# KiCad board Ultrasonic Sound Steering - Control Rev. B.kicad_pcb (continued)
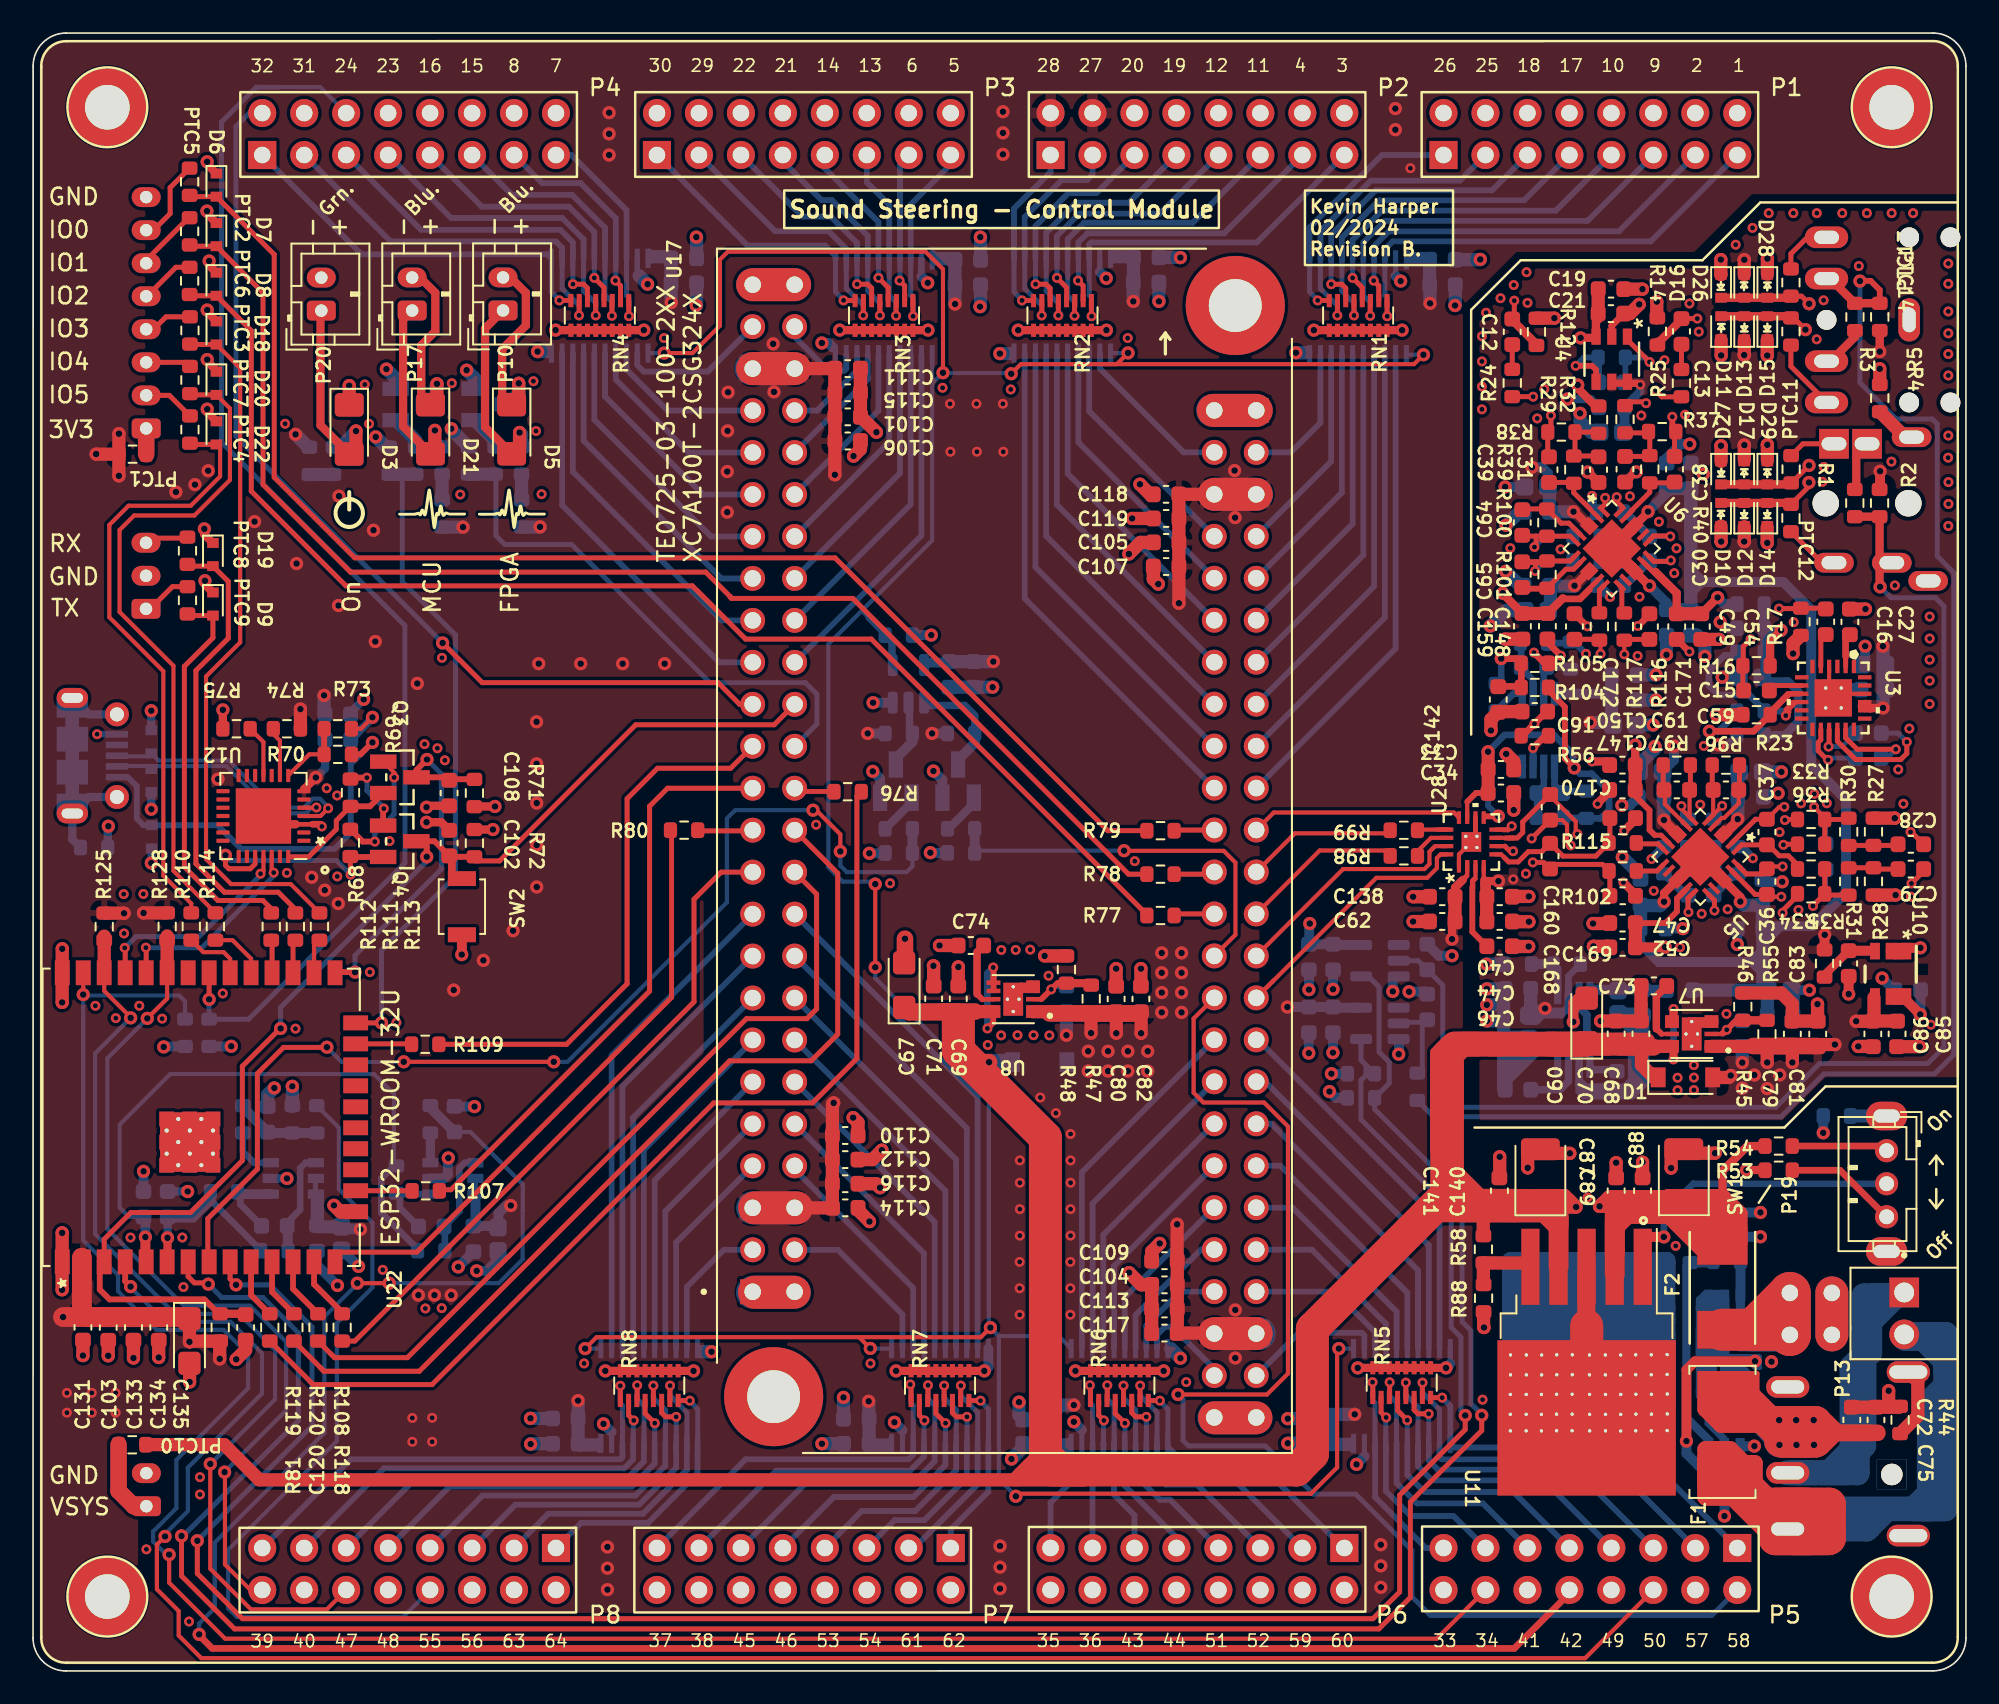
[diagram p0: board, top side]
## Placement (name value [footprint] x y rotation side) (continued)
R23  68Ω  [R_0603_1608Metric]  104.32 57.88 0 top
R24  2kΩ  [R_0603_1608Metric]  89.53 77.96 90 top
R25  2kΩ  [R_0603_1608Metric]  99.77 77.95 90 top
R26  2.2kΩ  [R_0603_1608Metric]  95.56 79.5 180 bottom
R27  10kΩ  [R_0603_1608Metric]  111.4 50.8 90 top
R28  10kΩ  [R_0603_1608Metric]  111.4 47.79 90 top
R29  3.9kΩ  [R_0603_1608Metric]  96.36 75.77 270 top
R30  3.9kΩ  [R_0603_1608Metric]  109.9 50.79 90 top
R31  3.9kΩ  [R_0603_1608Metric]  109.9 47.79 270 top
R32  3.9kΩ  [R_0603_1608Metric]  94.76 75.74 270 top
R33  15kΩ  [R_0603_1608Metric]  107.62 50.04 180 top
R34  15kΩ  [R_0603_1608Metric]  107.62 48.54 180 top
R35  3.9kΩ  [R_0603_1608Metric]  107.62 47.04 180 top
R36  3.9kΩ  [R_0603_1608Metric]  107.62 51.54 180 top
R37  15kΩ  [R_0603_1608Metric]  98.61 75.02 0 top
R38  15kΩ  [R_0603_1608Metric]  92.51 74.99 180 top
R39  3.9kΩ  [R_0603_1608Metric]  93.26 72.72 270 top
R40  3.9kΩ  [R_0603_1608Metric]  97.86 72.74 270 top
R41  10kΩ  [R_0603_1608Metric]  103.2 49.07 270 bottom
R42  10kΩ  [R_0603_1608Metric]  95.46 70.14 0 bottom
R43  10kΩ  [R_0603_1608Metric]  98.71 49.07 270 bottom
R44  0Ω  [R_0603_1608Metric]  113.01 15.19 270 top
R45  3.57kΩ  [R_0603_1608Metric]  104.95 38.56 270 top
R46  1.15kΩ  [R_0603_1608Metric]  103.49 40.21 270 top
R47  3.57kΩ  [R_0603_1608Metric]  64.05 40.69 270 top
R48  1.15kΩ  [R_0603_1608Metric]  62.55 42.46 270 top
R49  10Ω  [R_0603_1608Metric]  102.52 24.8 0 bottom
R50  4.7kΩ  [R_0603_1608Metric]  100.31 25.54 270 bottom
R51  180Ω  [R_0603_1608Metric]  16.73 73.25 90 bottom
R52  0Ω  [R_0603_1608Metric]  18.19 73.25 90 bottom
R53  1kΩ  [R_0603_1608Metric]  105.66 30.31 0 top
R54  100kΩ  [R_0603_1608Metric]  105.66 31.77 180 top
R55  100kΩ  [R_0603_1608Metric]  108.44 42.82 90 top
R56  5.1kΩ  [R_0603_1608Metric]  90.9 56.61 0 top
R57  5.1kΩ  [R_0603_1608Metric]  91.81 51.68 0 bottom
R58  2.2kΩ  [R_0603_1608Metric]  87.79 25.52 90 top
R59  1.2kΩ  [R_0603_1608Metric]  29.57 70.07 270 bottom
R60  0Ω  [R_0603_1608Metric]  29.57 73.27 90 bottom
R61  100Ω  [R_0603_1608Metric]  27.97 73.27 90 bottom
R62  4.7kΩ  [R_0603_1608Metric]  26.37 73.27 90 bottom
R63  1.2kΩ  [R_0603_1608Metric]  24.76 70.06 270 bottom
R64  0Ω  [R_0603_1608Metric]  24.76 73.27 90 bottom
R65  100Ω  [R_0603_1608Metric]  23.16 73.26 90 bottom
R66  4.7kΩ  [R_0603_1608Metric]  21.56 73.26 90 bottom
R67  0Ω  [R_0603_1608Metric]  3.7 49.84 180 bottom
R68  4.7kΩ  [R_0603_1608Metric]  19.21 50.12 90 top
R69  4.7kΩ  [R_0603_1608Metric]  19.22 53.16 90 top
R70  22.1kΩ  [R_0603_1608Metric]  18.45 55.48 0 top
R71  0Ω  [R_0603_1608Metric]  26.72 53.14 270 top
R72  0Ω  [R_0603_1608Metric]  26.72 50.11 270 top
R73  47.5kΩ  [R_0603_1608Metric]  18.45 57.03 0 top
R74  1kΩ  [R_0603_1608Metric]  15.37 57.03 180 top
R75  1kΩ  [R_0603_1608Metric]  12.32 57.03 180 top
R76  0Ω  [R_0603_1608Metric]  49.31 53.22 180 top
R77  0Ω  [R_0603_1608Metric]  68.24 45.73 180 top
R78  0Ω  [R_0603_1608Metric]  68.24 48.23 180 top
R79  0Ω  [R_0603_1608Metric]  68.24 50.86 180 top
R80  0Ω  [R_0603_1608Metric]  39.41 50.89 180 top
R81  10kΩ  [R_0603_1608Metric]  11.33 20.79 90 top
R82  4.7kΩ  [R_0603_1608Metric]  52.4 49.51 180 bottom
R83  100Ω  [R_0603_1608Metric]  52.4 50.97 180 bottom
R84  4.7kΩ  [R_0603_1608Metric]  52.4 56.75 0 bottom
R85  4.7kΩ  [R_0603_1608Metric]  56.17 49.52 180 bottom
R86  100Ω  [R_0603_1608Metric]  56.17 50.98 180 bottom
R87  10kΩ  [R_0603_1608Metric]  95.5 65.72 0 bottom
R88  1kΩ  [R_0603_1608Metric]  87.8 22.56 90 top
R89  4.7kΩ  [R_0603_1608Metric]  92.84 42.79 0 bottom
R90  50Ω  [R_0603_1608Metric]  94.02 52.43 90 bottom
R91  4.7kΩ  [R_0603_1608Metric]  56.17 56.75 0 bottom
R92  1kΩ  [R_0603_1608Metric]  101.73 50.74 270 bottom
R93  1kΩ  [R_0603_1608Metric]  100.17 50.73 270 bottom
R94  1kΩ  [R_0603_1608Metric]  94.03 67.18 0 bottom
R95  1kΩ  [R_0603_1608Metric]  94.03 68.68 0 bottom
R96  1kΩ  [R_0603_1608Metric]  102.46 54.83 180 top
R97  1kΩ  [R_0603_1608Metric]  99.49 54.83 180 top
R98  100Ω  [R_0603_1608Metric]  82.97 49.34 180 top
R99  100Ω  [R_0603_1608Metric]  82.97 50.89 180 top
R100  1kΩ  [R_0603_1608Metric]  91.63 69.51 270 top
R101  1kΩ  [R_0603_1608Metric]  91.64 66.37 270 top
R102  33Ω  [R_0603_1608Metric]  96.22 48.42 0 top
R103  0Ω  [R_0603_1608Metric]  89.87 42.79 0 bottom
R104  10kΩ  [R_0603_1608Metric]  90.9 59.53 0 top
R105  10kΩ  [R_0603_1608Metric]  90.9 60.99 0 top
R106  100Ω  [R_0603_1608Metric]  88.58 58.95 270 bottom
R107  0Ω  [R_0603_1608Metric]  23.77 29.06 0 top
R108  0Ω  [R_0603_1608Metric]  18.71 20.79 270 top
R109  0Ω  [R_0603_1608Metric]  23.74 37.93 0 top
R110  0Ω  [R_0603_1608Metric]  9.58 45.06 90 top
R111  0Ω  [R_0603_1608Metric]  15.88 45.06 90 top
R112  0Ω  [R_0603_1608Metric]  14.42 45.06 90 top
R113  0Ω  [R_0603_1608Metric]  17.34 45.06 90 top
R114  0Ω  [R_0603_1608Metric]  11.04 45.06 90 top
R115  33Ω  [R_0603_1608Metric]  96.22 50.12 0 top
R116  33Ω  [R_0603_1608Metric]  96.32 63.22 90 top
R117  33Ω  [R_0603_1608Metric]  94.81 63.22 90 top
R118  0Ω  [R_0603_1608Metric]  14.33 20.79 270 top
R119  0Ω  [R_0603_1608Metric]  15.79 20.79 270 top
R120  0Ω  [R_0603_1608Metric]  17.25 20.79 270 top
R121  5.1kΩ  [R_0603_1608Metric]  90.85 62.22 0 bottom
R122  50Ω  [R_0603_1608Metric]  93.06 61.46 270 bottom
R123  4.7kΩ  [R_0603_1608Metric]  52.4 62.7 0 bottom
R124  4.7kΩ  [R_0603]  10.64 38.63 270 bottom
R125  4.7kΩ  [R_0603_1608Metric]  4.31 45.05 90 top
R126  0Ω  [R_0603]  109.18 33.61 180 bottom
R127  4.7kΩ  [R_0603]  9.18 38.63 270 bottom
R128  4.7kΩ  [R_0603_1608Metric]  8.12 45.06 90 top
R129  68kΩ  [R_0603]  85.35 35.36 90 bottom
R130  68kΩ  [R_0603]  83.81 35.36 90 bottom
R131  4.7kΩ  [R_0603]  80.38 36.17 180 bottom
R132  4.7kΩ  [R_0603]  80.38 34.71 180 bottom
RN1  YC248-JR-073K3L  [R_Array_Convex_8x0602]  80.21 82.05 90 top
RN2  YC248-JR-073K3L  [R_Array_Convex_8x0602]  62.31 82.05 90 top
RN3  YC248-JR-073K3L  [R_Array_Convex_8x0602]  51.51 82.05 90 top
RN4  YC248-JR-073K3L  [R_Array_Convex_8x0602]  34.31 82.05 90 top
RN5  YC248-JR-073K3L  [R_Array_Convex_8x0602]  82.84 17.45 270 top
RN6  YC248-JR-073K3L  [R_Array_Convex_8x0602]  65.75 17.27 270 top
RN7  YC248-JR-073K3L  [R_Array_Convex_8x0602]  54.9 17.27 270 top
RN8  YC248-JR-073K3L  [R_Array_Convex_8x0602]  37.3 17.27 270 top
SW1  EG1247  [MFS101D10Z]  112.19 27.49 270 top
SW2  B3U-1000P  [SW_SPST_B3U-1000P]  25.96 46.26 270 top
U1  OPA837IDBVT  [IC_SOT23-6]  25.4 29.81 0 bottom
U2  OPA837IDBVT  [DBV6_TEX]  15.75 29.81 0 bottom
U3  TS472IQT  [QFN_72IQT_STM]  108.96 58.9 270 top
U4  OPA837IDBVT  [DBV6_TEX]  95.56 79.4 270 top
U5  ADA4940-2ACPZ-R7  [QFN50P400X400X80-25N]  100.92 49.27 225 top
U6  ADA4940-2ACPZ-R7  [QFN50P400X400X80-25N]  95.56 67.94 315 top
U7  TPS7A9201DSKT  [SON50P250X250X80-11N]  100.4 38.56 180 top
U8  TPS7A9201DSKT  [SON50P250X250X80-11N]  59.33 40.66 180 top
U9  MAX4866LEUT  [MAX4866LEUT_T_MXM]  102.38 12.24 90 bottom
U10  REF3430TIDBVR  [DBV0006A_N]  112.44 42.2 270 top
U11  MIC29502WU  [TO-263-5_TabPin6]  94.03 18.69 270 top
U12  CP2102N-A02-GQFN28  [IC_QFN-28_EP_5x5]  13.95 51.75 180 top
U13  SN74LVC540APWR  [PW20-L]  82.86 16.64 270 bottom
U14  SN74LVC540APWR  [PW20-L]  80.2 82.54 90 bottom
U15  SN74LVC540APWR  [PW20-L]  54.9 16.64 270 bottom
U16  SN74LVC540APWR  [PW20-L]  51.5 82.54 90 bottom
U17  TE0725-03-35-2C  [MODULE_TE0725-03-35-2C]  58.8 49.64 270 top
U18  SN74LVC540APWR  [PW20-L]  65.76 16.64 270 bottom
U19  SN74LVC540APWR  [PW20-L]  62.3 82.64 90 bottom
U20  SN74LVC540APWR  [PW20-L]  37.3 16.64 270 bottom
U21  SN74LVC540APWR  [PW20-L]  34.3 82.64 90 bottom
U22  ESP32-WROOM-32U  [IC_ESP32-WROOM32U]  10.18 33.51 90 top
U23  TLV9162DGK  [VSSOP-8_3.0x3.0mm_P0.65mm]  91.12 56.95 90 bottom
U24  LTC1550LCMS8-2  [MSOP-8_MS_LIT]  93.26 38.81 270 bottom
U25  SN74LVC1G32DBVR  [SOT-23-5]  52.98 59.75 90 bottom
U26  SN74LVC1G14DBVR  [SOT-23-5]  81.53 42.99 180 bottom
U27  SN74LVC1G14DBVR  [SOT-23-5]  81.52 39.2 180 bottom
U28  AD4680BCPZ-RL7  [CP-16-45_ADI]  87.06 50.18 90 top

## Library data of the parts
C59 C61 C64 C65 C108 R2 R4 R5 R13 R15 R18 R19 R22 R67 R71 R72 = -: DNP: DNP
P9 = -: Description: 2.5 x 6.0 mm, 5.0 A, Horizontal, Through Hole, Shielded, Dc Power Jack Connector; CUI_PURCHASE_URL: https://www.cui.com/product/interconnect/dc-power-connectors/jacks/2.5-mm-center-pin/pj-051bh?utm_source=snapeda.com&utm_medium=referral&utm_campaign=snapedaBOM; CUI_purchase_URL: https://www.cuidevices.com/product/interconnect/connectors/dc-power-connectors/jacks/pj-051bh?utm_source=snapeda.com&utm_medium=referral&utm_campaign=snapedaBOM; Check_prices: https://www.snapeda.com/parts/PJ-051BH/CUI+Devices/view-part/?ref=eda; DESCRIPTION: 2.5 mm Center Pin, 5.0 A, Right Angle, Through Hole, Shielded, Dc Power Jack Connector; DIGI-KEY_PART_NUMBER: CP-051BH-ND; DIGI-KEY_PURCHASE_URL: https://www.digikey.com/product-detail/en/cui-inc/PJ-051BH/CP-051BH-ND/1644588?utm_source=snapeda&utm_medium=aggregator&utm_campaign=symbol; DigiKey_Part_Number: CP-051BH-ND; MF: CUI Devices; PACKAGE: None; Package: None; Purchase-URL: https://www.snapeda.com/api/url_track_click_mouser/?unipart_id=561079&manufacturer=CUI Devices&part_name=PJ-051BH&search_term=None; SnapEDA_Link: https://www.snapeda.com/parts/PJ-051BH/CUI+Devices/view-part/?ref=snap
P11 = -: Description: 2.5 mm, Stereo, Right Angle, Through Hole, 4 Conductors, 2 Internal Switches, Audio Jack Connector; Availability: In Stock; CUI_purchase_URL: https://www.cuidevices.com/product/interconnect/connectors/audio-connectors/jacks/sj1-42516?utm_source=snapeda.com&utm_medium=referral&utm_campaign=snapedaBOM; Check_prices: https://www.snapeda.com/parts/SJ1-42516/CUI+Devices/view-part/?ref=eda; MANUFACTURER: CUI Inc; MF: CUI Devices; PART_REV: 1.01; Package: None; Price: None; Purchase-URL: https://www.snapeda.com/api/url_track_click_mouser/?unipart_id=1320740&manufacturer=CUI Devices&part_name=SJ1-42516&search_term=sj1-42516; STANDARD: Manufacturer Recommendation; SnapEDA_Link: https://www.snapeda.com/parts/SJ1-42516/CUI+Devices/view-part/?ref=snap
P12 = -: Description: 3.5 mm, Stereo, Right Angle, Through Hole, Isolated Ground, 3 Conductors, 1 Internal Switch, Audio Jack Connector; Availability: In Stock; CUI_purchase_URL: https://www.cuidevices.com/product/interconnect/connectors/audio-connectors/jacks/sj1-3524ng?utm_source=snapeda.com&utm_medium=referral&utm_campaign=snapedaBOM; Check_prices: https://www.snapeda.com/parts/SJ1-3524NG/CUI+Devices/view-part/?ref=eda; MANUFACTURER: CUI; MF: CUI Devices; MP: SJ1-3524NG; PARTREV: 1.01; Package: None; Price: None; Purchase-URL: https://www.snapeda.com/api/url_track_click_mouser/?unipart_id=45902&manufacturer=CUI Devices&part_name=SJ1-3524NG&search_term=sj1-3524ng; STANDARD: Manufacturer recommendation; SnapEDA_Link: https://www.snapeda.com/parts/SJ1-3524NG/CUI+Devices/view-part/?ref=snap
SW1 = -: MANUFACTURER: E-Switch; MAXIMUM_PACKAGE_HEIGHT: 4.7mm; PARTREV: -; STANDARD: Manufacturer Recommendations
U5 U6 = -: Description: Ultralow Power, Low Distortion ADC Driver; Availability: In Stock; Check_prices: https://www.snapeda.com/parts/ADA4940-2ACPZ-R7/Analog+Devices/view-part/?ref=eda; MANUFACTURER: ANALOG DEVICES; MF: Analog Devices; PARTREV: E; Package: LFCSP -24 Analog Devices; Price: None; Purchase-URL: https://www.snapeda.com/api/url_track_click_mouser/?unipart_id=552404&manufacturer=Analog Devices&part_name=ADA4940-2ACPZ-R7&search_term=ada4940; STANDARD: IPC 7351B; SnapEDA_Link: https://www.snapeda.com/parts/ADA4940-2ACPZ-R7/Analog+Devices/view-part/?ref=snap
U7 U8 = -: MANUFACTURER: Texas Instruments; MAXIMUM_PACKAGE_HEIGHT: 0.8mm; PARTREV: December 2016; STANDARD: IPC-7351B
U9 = -: Description: Overvoltage Protection Controllers with Reverse Polarity Protection; Availability: In Stock; Check_prices: https://www.snapeda.com/parts/MAX4866LEUT+/Analog+Devices/view-part/?ref=eda; MF: Analog Devices; MP: MAX4866LEUT+; Package: SOT-23-6 Maxim Integrated; Price: None; SnapEDA_Link: https://www.snapeda.com/parts/MAX4866LEUT+/Analog+Devices/view-part/?ref=snap
U17 = -: Description: series Embedded Module Artix-7 A35T - 100MHz - 32MB; Availability: In Stock; Check_prices: https://www.snapeda.com/parts/TE0725-03-35-2C/Trenz+Electronic+GmbH/view-part/?ref=eda; MANUFACTURER: Trenz Electronic; MAXIMUM_PACKAGE_HEIGHT: N/A; MF: Trenz Electronic GmbH; PARTREV: 03; Package: Trenz Electronic GmbH; Price: None; Purchase-URL: https://www.snapeda.com/api/url_track_click_mouser/?unipart_id=4794770&manufacturer=Trenz Electronic GmbH&part_name=TE0725-03-35-2C&search_term=None; STANDARD: Manufacturer Recommendations; SnapEDA_Link: https://www.snapeda.com/parts/TE0725-03-35-2C/Trenz+Electronic+GmbH/view-part/?ref=snap
U22 = -: Description: Bluetooth, WiFi 802.11b/g/n, Bluetooth v4.2 +EDR, Class 1, 2 and 3 Transceiver Module 2.4GHz ~ 2.5GHz Integrated; Availability: Not in stock; Check_prices: https://www.snapeda.com/parts/ESP32-WROOM-32D/Espressif+Systems/view-part/?ref=eda; MANUFACTURER: Espressif Systems; MAXIMUM_PACKAGE_HEIGHT: 3.2 mm; MF: Espressif Systems; PARTREV: 1.9; Package: Non Standard Espressif Systems; Price: None; STANDARD: Manufacturer Recommendations; SnapEDA_Link: https://www.snapeda.com/parts/ESP32-WROOM-32D/Espressif+Systems/view-part/?ref=snap

## Footprints (pads in the part's own frame, mm; a bottom-side part is the same pattern mirrored in y, then rotated)
0157Series_LTF
  rect 2.286x3.048 smd: 1(-2.54,0) 2(2.54,0)
C_0603
  rrect 0.9x0.95 smd: 1(-0.775,0.02) 2(0.775,0.02)
C_0603_1608Metric
  rrect 0.9x0.95 smd: 1(-0.775,0) 2(0.775,0)
CP-16-45_ADI
  rect 0.762x0.254 smd: 1(-1.473,0.75) 2(-1.473,0.25) 3(-1.473,-0.25) 4(-1.473,-0.75) 9(1.473,-0.75) 10(1.473,-0.25) 11(1.473,0.25) 12(1.473,0.75)
  rect 0.254x0.762 smd: 5(-0.75,-1.473) 6(-0.25,-1.473) 7(0.25,-1.473) 8(0.75,-1.473) 13(0.75,1.473) 14(0.25,1.473) 15(-0.25,1.473) 16(-0.75,1.473)
  rect 1.194x1.194 smd: 17(0,0)
CP_EIA-1608-10_AVX-L
  rrect 1.075x1.05 smd: 1(-0.713,0) 2(0.713,0)
CP_EIA-3216-10_Kemet-I
  rrect 1.4x1.35 smd: 1(-1.35,0) 2(1.35,0)
CP_EIA-3216-18_Kemet-A
  rrect 1.4x1.35 smd: 1(-1.35,0) 2(1.35,0)
CP_EIA-3528-21_Kemet-B
  rrect 1.325x2.35 smd: 1(-1.538,0) 2(1.538,0)
CUI_PJ-051BH
  round 1.3 hole 1.3 unplated: (1.75,1.25)
  oval 2.616x1.308 hole 2x0.8: 1(-4.55,4.55) 2(-4.55,-4.05) 3(-4.55,1.15)
  oval 2.616x1.308 hole 2.3x0.8: 5(2.75,-4.95) 6(2.75,4.95)
CUI_SJ1-3525NG
  round 1.2 hole 1.2 unplated: (-2.5,-5) (-2.5,5) (0,-5) (0,5) (5,0)
  oval 1.308x2.616 hole 0.8x1.5: 1(0,0)
  oval 2.616x1.308 hole 1.5x0.8: 2(5,-5) 3(5,5) 4(5,-2.5) 5(5,2.5)
CUI_SJ1-42516
  round 1.6 hole 1.6 unplated: (1.2,4.7) (6.2,4.7)
  oval 2.4x1.2 hole 1.5x0.8: 1(0,0) 2(5.7,1.1) 4(1,8.7) 5(2.2,1.1)
  rect 1.8x1.8 hole 1.5x0.8: 3(5.7,8.3) 6(3.7,8.3)
D_SOD-123
  rect 0.9x1.2 smd: 1(-1.65,0) 2(1.65,0)
D_SOD-523
  rect 0.6x0.7 smd: 1(-0.7,0) 2(0.7,0)
DBV6_TEX
  rect 0.978x0.559 smd: 1(-1.365,0.95) 2(-1.365,0) 3(-1.365,-0.95) 4(1.365,-0.95) 5(1.365,0) 6(1.365,0.95)
DBV0006A_N
  rect 1x0.6 smd: 1(-1.375,0.95) 2(-1.375,0) 3(-1.375,-0.95) 4(1.375,-0.95) 5(1.375,0) 6(1.375,0.95)
DMP3099L-7_DIO
  rect 0.864x1.6 smd: 1(-0.95,-1.006) 2(0.95,-1.006) 3(0,1.006)
F_0157_SMD2
  rect 2.286x3.048 smd: 1(-2.44,-0.047) 2(2.64,-0.047)
IC_ESP32-WROOM32U
  rect 1.5x0.9 smd: 1(-8.75,8.41) 2(-8.75,7.14) 3(-8.75,5.87) 4(-8.75,4.6) 5(-8.75,3.33) 6(-8.75,2.06) 7(-8.75,0.79) 8(-8.75,-0.48) 9(-8.75,-1.75) 10(-8.75,-3.02) 11(-8.75,-4.29) 12(-8.75,-5.56) 13(-8.75,-6.83) 14(-8.75,-8.1) 25(8.75,-8.1) 26(8.75,-6.83) 27(8.75,-5.56) 28(8.75,-4.29) 29(8.75,-3.02) 30(8.75,-1.75) 31(8.75,-0.48) 32(8.75,0.79) 33(8.75,2.06) 34(8.75,3.33) 35(8.75,4.6) 36(8.75,5.87) 37(8.75,7.14) 38(8.75,8.41)
  rect 0.9x1.5 smd: 15(-5.715,-9.35) 16(-4.445,-9.35) 17(-3.175,-9.35) 18(-1.905,-9.35) 19(-0.635,-9.35) 20(0.635,-9.35) 21(1.905,-9.35) 22(3.175,-9.35) 23(4.445,-9.35) 24(5.715,-9.35)
  rect 0.9x0.9 smd: 39_1(-2.9,2.09) 39_2(-1.5,2.09) 39_3(-0.1,2.09) 39_4(-2.9,0.69) 39_5(-1.5,0.69) 39_6(-0.1,0.69) 39_7(-2.9,-0.71) 39_8(-1.5,-0.71) 39_9(-0.1,-0.71)
  round 0.35 hole 0.25: 39_10(-2.2,2.09) 39_11(-0.8,2.09) 39_12(-2.9,1.39) 39_13(-1.5,1.39) 39_14(-0.1,1.39) 39_15(-2.2,0.69) 39_16(-0.8,0.69) 39_17(-2.9,-0.01) 39_18(-1.5,-0.01) 39_19(-0.1,-0.01) 39_20(-2.2,-0.71) 39_21(-0.8,-0.71)
IC_QFN-28_EP_5x5
  rrect 0.9x0.9 smd: (-1.12,1.12) (-1.12,0) (-1.12,-1.12) (0,1.12) (0,0) (0,-1.12) (1.12,1.12) (1.12,0) (1.12,-1.12)
  rrect 0.8x0.25 smd: 1(-2.45,1.5) 2(-2.45,1) 3(-2.45,0.5) 4(-2.45,0) 5(-2.45,-0.5) 6(-2.45,-1) 7(-2.45,-1.5) 15(2.45,-1.5) 16(2.45,-1) 17(2.45,-0.5) 18(2.45,0) 19(2.45,0.5) 20(2.45,1) 21(2.45,1.5)
  rrect 0.25x0.8 smd: 8(-1.5,-2.45) 9(-1,-2.45) 10(-0.5,-2.45) 11(0,-2.45) 12(0.5,-2.45) 13(1,-2.45) 14(1.5,-2.45) 22(1.5,2.45) 23(1,2.45) 24(0.5,2.45) 25(0,2.45) 26(-0.5,2.45) 27(-1,2.45) 28(-1.5,2.45)
  rect 3.35x3.35 smd: 29(0,0)
IC_SOT23-6
  rect 0.978x0.559 smd: 1(-1.353,0.946) 2(-1.353,-0.004) 3(-1.353,-0.954) 4(1.378,-0.954) 5(1.378,-0.004) 6(1.378,0.946)
JST_PH_B2B-PH-K_1x02_P2.00mm_Vertical
  rrect 1.2x1.75 hole 0.75: 1(0,0)
  oval 1.2x1.75 hole 0.75: 2(2,0)
JST_PH_S2B-PH-K_1x02_P2.00mm_Horizontal
  rrect 1.2x1.75 hole 0.75: 1(0,0)
  oval 1.2x1.75 hole 0.75: 2(2,0)
JST_PH_S3B-PH-K_1x03_P2.00mm_Horizontal
  rrect 1.2x1.75 hole 0.75: 1(0,0)
  oval 1.2x1.75 hole 0.75: 2(2,0) 3(4,0)
JST_PH_S8B-PH-K_1x08_P2.00mm_Horizontal
  rrect 1.2x1.75 hole 0.75: 1(0,0)
  oval 1.2x1.75 hole 0.75: 2(2,0) 3(4,0) 4(6,0) 5(8,0) 6(10,0) 7(12,0) 8(14,0)
L_0603_1608Metric
  rrect 0.875x0.95 smd: 1(-0.787,0) 2(0.787,0)
LED_1206_3216Metric_Pad1.42x1.75mm_HandSolder
  rrect 1.425x1.75 smd: 1(-1.488,0) 2(1.488,0)
MAX4866LEUT_T_MXM
  rect 0.978x0.559 smd: 1(-1.365,0.95) 2(-1.365,0) 3(-1.365,-0.95) 4(1.365,-0.95) 5(1.365,0) 6(1.365,0.95)
MFS101D10Z
  round 1.4 hole 0.9: 1(0,0) 2(-2,0) 3(-4,0)
  oval 1.724x2.5 hole 0.8x1.6: 4(-6.1,0) 5(2.1,0)
MODULE_TE0725-03-35-2C
  rect 1.508x1.508 hole 1: 1_1(26.69,-15.24) 1_2(-26.66,15.24)
  round 1.508 hole 1: 2_1(26.69,-12.7) 2_2(-26.66,12.7) 3_1(24.15,-15.24) 3_2(-24.12,15.24) 4_1(24.15,-12.7) 4_2(-24.12,12.7) 5_1(21.61,-15.24) 5_2(-21.58,15.24) 6_1(21.61,-12.7) 6_2(-21.58,12.7) 7_1(19.07,-15.24) 7_2(-19.04,15.24) 8_1(19.07,-12.7) 8_2(-19.04,12.7) 9_1(16.53,-15.24) 9_2(-16.5,15.24) 10_1(16.53,-12.7) 10_2(-16.5,12.7) 11_1(13.99,-15.24) 11_2(-13.96,15.24) 12_1(13.99,-12.7) 12_2(-13.96,12.7) 13_1(11.45,-15.24) 13_2(-11.42,15.24) 14_1(11.45,-12.7) 14_2(-11.42,12.7) 15_1(8.91,-15.24) 15_2(-8.88,15.24) 16_1(8.91,-12.7) 16_2(-8.88,12.7) 17_1(6.37,-15.24) 17_2(-6.34,15.24) 18_1(6.37,-12.7) 18_2(-6.34,12.7) 19_1(3.83,-15.24) 19_2(-3.8,15.24) 20_1(3.83,-12.7) 20_2(-3.8,12.7) 21_1(1.29,-15.24) 21_2(-1.26,15.24) 22_1(1.29,-12.7) 22_2(-1.26,12.7) 23_1(-1.25,-15.24) 23_2(1.28,15.24) 24_1(-1.25,-12.7) 24_2(1.28,12.7) 25_1(-3.79,-15.24) 25_2(3.82,15.24) 26_1(-3.79,-12.7) 26_2(3.82,12.7) 27_1(-6.33,-15.24) 27_2(6.36,15.24) 28_1(-6.33,-12.7) 28_2(6.36,12.7) 29_1(-8.87,-15.24) 29_2(8.9,15.24) 30_1(-8.87,-12.7) 30_2(8.9,12.7) 31_1(-11.41,-15.24) 31_2(11.44,15.24) 32_1(-11.41,-12.7) 32_2(11.44,12.7) 33_1(-13.95,-15.24) 33_2(13.98,15.24) 34_1(-13.95,-12.7) 34_2(13.98,12.7) 35_1(-16.49,-15.24) 35_2(16.52,15.24) 36_1(-16.49,-12.7) 36_2(16.52,12.7) 37_1(-19.03,-15.24) 37_2(19.06,15.24) 38_1(-19.03,-12.7) 38_2(19.06,12.7) 39_1(-21.57,-15.24) 39_2(21.6,15.24) 40_1(-21.57,-12.7) 40_2(21.6,12.7) 41_1(-24.11,-15.24) 41_2(24.14,15.24) 42_1(-24.11,-12.7) 42_2(24.14,12.7) 43_1(-26.65,-15.24) 43_2(26.68,15.24) 44_1(-26.65,-12.7) 44_2(26.68,12.7) 45_1(-29.19,-15.24) 45_2(29.22,15.24) 46_1(-29.19,-12.7) 46_2(29.22,12.7) 47_1(-31.73,-15.24) 47_2(31.76,15.24) 48_1(-31.73,-12.7) 48_2(31.76,12.7) 49_1(-34.27,-15.24) 49_2(34.3,15.24) 50_1(-34.27,-12.7) 50_2(34.3,12.7)
  round 6 hole 3.2: S1(-33.01,13.97) S2(33.04,-13.97)
MountingHole_2.7mm_M2.5_DIN965_Pad
  round 4.7 hole 2.7: 1(0,0)
MSOP-8_MS_LIT
  rect 1.359x0.432 smd: 1(-2.229,0.975) 2(-2.229,0.325) 3(-2.229,-0.325) 4(-2.229,-0.975) 5(2.229,-0.975) 6(2.229,-0.325) 7(2.229,0.325) 8(2.229,0.975)
PG-TSOP-6-903_INF
  rect 1.295x0.533 smd: 1(-1.206,0.953) 2(-1.206,0) 3(-1.206,-0.953) 4(1.206,-0.953) 5(1.206,0) 6(1.206,0.953)
PinSocket_2x02_P2.54mm_Vertical
  rect 1.7x1.7 hole 1: 1(0,0)
  oval 1.7x1.7 hole 1: 2(-2.54,0) 3(0,-2.54) 4(-2.54,-2.54)
PinSocket_2x08_P2.54mm_Vertical
  rect 1.7x1.7 hole 1: 1(0,0)
  oval 1.7x1.7 hole 1: 2(-2.54,0) 3(0,-2.54) 4(-2.54,-2.54) 5(0,-5.08) 6(-2.54,-5.08) 7(0,-7.62) 8(-2.54,-7.62) 9(0,-10.16) 10(-2.54,-10.16) 11(0,-12.7) 12(-2.54,-12.7) 13(0,-15.24) 14(-2.54,-15.24) 15(0,-17.78) 16(-2.54,-17.78)
PW20-L
  rect 1.168x0.305 smd: 1(-2.87,2.925) 2(-2.87,2.275) 3(-2.87,1.625) 4(-2.87,0.975) 5(-2.87,0.325) 6(-2.87,-0.325) 7(-2.87,-0.975) 8(-2.87,-1.625) 9(-2.87,-2.275) 10(-2.87,-2.925) 11(2.87,-2.925) 12(2.87,-2.275) 13(2.87,-1.625) 14(2.87,-0.975) 15(2.87,-0.325) 16(2.87,0.325) 17(2.87,0.975) 18(2.87,1.625) 19(2.87,2.275) 20(2.87,2.925)
QFN50P400X400X80-25N
  rrect 0.86x0.26 smd: 1(-1.935,1.25) 2(-1.935,0.75) 3(-1.935,0.25) 4(-1.935,-0.25) 5(-1.935,-0.75) 6(-1.935,-1.25) 13(1.935,-1.25) 14(1.935,-0.75) 15(1.935,-0.25) 16(1.935,0.25) 17(1.935,0.75) 18(1.935,1.25)
  rrect 0.26x0.86 smd: 7(-1.25,-1.935) 8(-0.75,-1.935) 9(-0.25,-1.935) 10(0.25,-1.935) 11(0.75,-1.935) 12(1.25,-1.935) 19(1.25,1.935) 20(0.75,1.935) 21(0.25,1.935) 22(-0.25,1.935) 23(-0.75,1.935) 24(-1.25,1.935)
  rect 2.5x2.5 smd: 25(0,0)
QFN_72IQT_STM
  rect 0.813x0.254 smd: 1(-1.905,1.25) 2(-1.905,0.75) 3(-1.905,0.25) 4(-1.905,-0.25) 5(-1.905,-0.75) 6(-1.905,-1.25) 13(1.905,-1.25) 14(1.905,-0.75) 15(1.905,-0.25) 16(1.905,0.25) 17(1.905,0.75) 18(1.905,1.25)
  rect 0.254x0.813 smd: 7(-1.25,-1.905) 8(-0.75,-1.905) 9(-0.25,-1.905) 10(0.25,-1.905) 11(0.75,-1.905) 12(1.25,-1.905) 19(1.25,1.905) 20(0.75,1.905) 21(0.25,1.905) 22(-0.25,1.905) 23(-0.75,1.905) 24(-1.25,1.905)
  rect 2.261x2.261 smd: 25(0,0)
R_0603
  rrect 0.8x0.95 smd: 1(-0.825,-0.02) 2(0.825,-0.02)
R_0603_1608Metric
  rrect 0.8x0.95 smd: 1(-0.825,0) 2(0.825,0)
R_Array_Convex_8x0602
  rect 0.8x0.3 smd: 1(-0.9,1.75) 2(-0.9,1.25) 3(-0.9,0.75) 4(-0.9,0.25) 5(-0.9,-0.25) 6(-0.9,-0.75) 7(-0.9,-1.25) 8(-0.9,-1.75) 9(0.9,-1.75) 10(0.9,-1.25) 11(0.9,-0.75) 12(0.9,-0.25) 13(0.9,0.25) 14(0.9,0.75) 15(0.9,1.25) 16(0.9,1.75)
SON50P250X250X80-11N
  rrect 0.84x0.27 smd: 1(-1.195,1) 2(-1.195,0.5) 3(-1.195,0) 4(-1.195,-0.5) 5(-1.195,-1) 6(1.195,-1) 7(1.195,-0.5) 8(1.195,0) 9(1.195,0.5) 10(1.195,1)
  rect 1.2x2 smd: 11(0,0)
  round 0.3 hole 0.2: 12(0.35,0) 13(-0.35,0) 14(0,0.75) 15(0,-0.75)
SOT-23-5
  rrect 1.325x0.6 smd: 1(-1.137,0.95) 2(-1.137,0) 3(-1.137,-0.95) 4(1.137,-0.95) 5(1.137,0.95)
SW_SPST_B3U-1000P
  rect 0.9x1.7 smd: 1(-1.7,0) 2(1.7,0)
TE_282834-2
  rect 1.8x1.8 hole 1.2: 1(-1.27,0)
  round 1.8 hole 1.2: 2(1.27,0)
TO-263-5_TabPin6
  rect 4.55x5.25 smd: (0.95,2.775) (0.95,-2.775) (5.8,2.775) (5.8,-2.775)
  rect 4.6x1.1 smd: 1(-5.775,3.4) 2(-5.775,1.7) 3(-5.775,0) 4(-5.775,-1.7) 5(-5.775,-3.4)
  rect 9.4x10.8 smd: 6(3.375,0)
TSOP-6_IRFTS_INF
  rect 1.295x0.559 smd: 1(-1.206,0.953) 2(-1.206,0) 3(-1.206,-0.953) 4(1.206,-0.953) 5(1.206,0) 6(1.206,0.953)
unnamed
  round 0.3 hole 0.2: 39_16(0,0)
unnamed#2
  round 0.3 hole 0.2: 39_15(0,0)
USB_Micro-B_Molex-105017-0001_Alt
  rect 0.4x1.35 smd: 1(-1.3,1.462) 2(-0.65,1.462) 3(0,1.462) 4(0.65,1.462) 5(1.3,1.462)
  oval 1.2x1.9 hole 0.6x1.3: 6(-3.5,-1.238) 6(3.5,-1.238)
  rect 1.2x1.9 smd: 6(-2.9,-1.238) 6(2.9,-1.238)
  round 1.45 hole 0.85: 6(-2.5,1.462) 6(2.5,1.462)
  rect 1.5x1.9 smd: 6(-1,-1.238) 6(1,-1.238)
VSSOP-8_3.0x3.0mm_P0.65mm
  rect 1.45x0.45 smd: 1(-2.2,0.975) 2(-2.2,0.325) 3(-2.2,-0.325) 4(-2.2,-0.975) 5(2.2,-0.975) 6(2.2,-0.325) 7(2.2,0.325) 8(2.2,0.975)

## Nets
+3.3VA: C18.1 C20.1 C23.1 C26.1 C40.2 C44.2 C48.1 C50.1 C51.1 C53.1 C76.2 C79.2 C81.2 C85.2 C86.2 C92.1 C136.1 C143.1 C145.1 C146.1 C149.1 C155.1 C157.1 C161.1 D1.2 D12.1 D13.1 D17.1 D26.1 R1.1 R3.2 R13.2 R45.2 R55.2 R89.2 U3.20 U3.21 U4.5 U4.6 U5.3 U5.4 U5.9 U5.10 U6.3 U6.4 U6.9 U6.10 U7.1 U7.2 U10.4 U23.8 U24.2 U28.4
+3V3: C1.2 C2.2 C8.1 C9.1 C10.1 C11.1 C62.2 C77.2 C80.2 C82.2 C94.2 C95.2 C96.2 C97.2 C98.2 C99.2 C100.2 C101.2 C103.2 C104.2 C105.2 C106.2 C107.2 C109.2 C110.2 C111.2 C112.2 C113.2 C114.2 C115.2 C116.2 C117.2 C118.2 C119.2 C121.2 C122.2 C123.2 C124.2 C125.2 C126.2 C127.1 C128.1 C129.2 C130.2 C131.2 C132.2 C133.2 C134.2 C135.1 C138.2 C164.1 C165.1 C166.1 C167.1 D2.2 P2.2 P2.4 PTC1.2 R47.2 R51.2 R59.2 R63.2 R74.1 R81.1 R84.1 R91.1 R125.2 R128.2 U1.5 U1.6 U2.5 U2.6 U8.1 U8.2 U12.6 U12.7 U13.20 U14.20 U15.20 U16.20 U17.5_1 U17.5_2 U17.6_1 U17.6_2 U17.45_1 U17.45_2 U17.46_1 U17.46_2 U18.20 U19.20 U20.20 U21.20 U22.2 U25.5 U26.5 U27.5 U28.2
+4V: C60.1 C67.1 C68.2 C69.2 C70.2 C71.2 C140.1 C141.2 D1.1 D2.1 D4.2 PTC10.1 R58.2 U7.6 U7.7 U7.9 U7.10 U8.6 U8.7 U8.9 U8.10 U11.4
+5V: F2.1 P16.1 P16.2 Q6.4
GND: C1.1 C2.1 C3.1 C4.1 C6.2 C8.2 C9.2 C10.2 C11.2 C14.1 C17.1 C18.2 C19.2 C20.2 C21.2 C23.2 C26.2 C27.1 C30.1 C31.2 C33.1 C34.1 C35.2 C40.1 C41.2 C42.1 C43.2 C44.1 C45.2 C46.1 C47.2 C48.2 C49.2 C50.2 C51.2 C52.2 C53.2 C54.2 C60.2 C62.1 C63.2 C66.2 C67.2 C68.1 C69.1 C70.1 C71.1 C72.1 C73.1 C74.1 C75.1 C78.2 C79.1 C80.1 C81.1 C82.1 C83.1 C84.1 C85.1 C86.1 C87.1 C88.2 C89.1 C90.1 C91.1 C92.2 C94.1 C95.1 C96.1 C97.1 C98.1 C99.1 C100.1 C101.1 C102.1 C103.1 C104.1 C105.1 C106.1 C107.1 C108.2 C109.1 C110.1 C111.1 C112.1 C113.1 C114.1 C115.1 C116.1 C117.1 C118.1 C119.1 C120.1 C121.1 C122.1 C123.1 C124.1 C125.1 C126.1 C127.2 C128.2 C129.1 C130.1 C131.1 C132.1 C133.1 C134.1 C135.2 C136.2 C138.1 C139.2 C140.2 C141.1 C142.1 C143.2 C144.2 C145.2 C146.2 C147.2 C148.2 C149.2 C150.2 C151.2 C153.1 C154.2 C155.2 C156.1 C157.2 C158.2 C159.2 C161.2 C162.2 C163.1 C164.2 C165.2 C166.2 C167.2 C169.2 C170.1 C171.2 C172.1 D3.1 D6.1 D7.1 D8.1 D9.1 D10.2 D11.2 D14.1 D15.1 D16.2 D18.1 D19.1 D20.1 D22.1 D23.1 D24.1 D25.1 D27.2 D28.1 D29.1 H1.1 H2.1 H3.1 H4.1 NOREF.39_16 NOREF#2.39_16 NOREF#3.39_15 NOREF#4.39_15 NOREF#5.39_15 NOREF#6.39_16 NOREF#7.39_16 NOREF#8.39_16 NOREF#9.39_15 NOREF#10.39_15 NOREF#11.39_16 NOREF#12.39_15 NOREF#13.39_16 NOREF#14.39_15 NOREF#15.39_15 NOREF#16.39_16 NOREF#17.39_15 NOREF#18.39_16 NOREF#19.39_16 NOREF#20.39_16 NOREF#21.39_15 NOREF#22.39_16 NOREF#23.39_16 NOREF#24.39_16 NOREF#25.39_16 NOREF#26.39_15 NOREF#27.39_16 NOREF#28.39_16 NOREF#29.39_16 NOREF#30.39_15 NOREF#31.39_16 NOREF#32.39_15 NOREF#33.39_15 NOREF#34.39_15 NOREF#35.39_15 NOREF#36.39_16 NOREF#37.39_16 NOREF#38.39_16 NOREF#39.39_15 NOREF#40.39_16 NOREF#41.39_15 NOREF#42.39_16 NOREF#43.39_16 NOREF#44.39_15 NOREF#45.39_15 NOREF#46.39_15 NOREF#47.39_15 NOREF#48.39_16 NOREF#49.39_16 NOREF#50.39_16 NOREF#51.39_16 NOREF#52.39_15 NOREF#53.39_15 NOREF#54.39_16 NOREF#55.39_16 NOREF#56.39_16 NOREF#57.39_15 NOREF#58.39_15 NOREF#59.39_16 NOREF#60.39_16 NOREF#61.39_16 NOREF#62.39_15 NOREF#63.39_15 P1.2 P1.4 P1.6 P1.8 P1.10 P1.12 P1.14 P1.16 P2.6 P2.8 P2.10 P2.12 P2.14 P2.16 P3.2 P3.4 P3.6 P3.8 P3.10 P3.12 P3.14 P3.16 P4.4 P4.8 P4.10 P4.12 P4.14 P4.16 P5.4 P5.8 P5.12 P5.16 P6.2 P6.4 P6.6 P6.8 P6.10 P6.12 P6.14 P6.16 P7.2 P7.4 P7.6 P7.8 P7.10 P7.12 P7.14 P7.16 P8.2 P8.4 P8.6 P8.10 P8.14 P9.2 P11.1 P12.1 P14.8 P15.2 P16.3 P16.4 P18.5 P20.2 P21.2 Q1.2 Q2.2 Q7.2 Q8.2 R4.1 R7.2 R12.1 R14.1 R17.1 R18.2 R23.1 R27.2 R28.1 R41.1 R42.1 R43.1 R44.1 R46.1 R48.1 R53.1 R62.2 R66.2 R67.1 R71.2 R72.1 R73.2 R75.2 R82.2 R85.2 R87.1 R88.1 R103.1 R105.2 R123.2 R124.2 R126.2 R127.2 R131.2 R132.2 RN1.1 RN1.2 RN1.3 RN1.4 RN1.5 RN1.6 RN1.7 RN1.8 RN2.1 RN2.2 RN2.3 RN2.4 RN2.5 RN2.6 RN2.7 RN2.8 RN3.1 RN3.2 RN3.3 RN3.4 RN3.5 RN3.6 RN3.7 RN3.8 RN4.1 RN4.2 RN4.3 RN4.4 RN4.5 RN4.6 RN4.7 RN4.8 RN5.1 RN5.2 RN5.3 RN5.4 RN5.5 RN5.6 RN5.7 RN5.8 RN6.1 RN6.2 RN6.3 RN6.4 RN6.5 RN6.6 RN6.7 RN6.8 RN7.1 RN7.2 RN7.3 RN7.4 RN7.5 RN7.6 RN7.7 RN7.8 RN8.1 RN8.2 RN8.3 RN8.4 RN8.5 RN8.6 RN8.7 RN8.8 SW2.2 U1.2 U2.2 U3.4 U3.22 U3.25 U4.2 U7.4 U7.5 U7.11 U7.12 U7.13 U7.14 U7.15 U8.4 U8.5 U8.11 U8.12 U8.13 U8.14 U8.15 U9.2 U9.6 U10.1 U10.2 U11.3 U11.6 U12.3 U12.29 U13.10 U13.19 U14.10 U14.19 U15.10 U15.19 U16.10 U16.19 U17.1_1 U17.1_2 U17.2_1 U17.2_2 U17.49_1 U17.49_2 U17.50_1 U17.50_2 U17.S1 U17.S2 U18.10 U18.19 U19.10 U19.19 U20.10 U20.19 U21.10 U21.19 U22.1 U22.15 U22.38 U22.39_1 U22.39_2 U22.39_3 U22.39_4 U22.39_5 U22.39_6 U22.39_7 U22.39_8 U22.39_9 U22.39_10 U22.39_11 U22.39_12 U22.39_13 U22.39_14 U22.39_15 U22.39_16 U22.39_17 U22.39_18 U22.39_19 U22.39_20 U22.39_21 U23.4 U24.6 U25.3 U26.3 U27.3 U28.1 U28.10 U28.17
VBUS: D23.2 P18.1 R70.2
+VSW: P8.8 R6.1
-VSW: C35.1 C41.1 C43.1 C45.1 C63.1 C66.1 C139.1 C144.1 C156.2 C158.1 L1.2 U5.15 U5.16 U5.21 U5.22 U5.25 U6.15 U6.16 U6.21 U6.22 U6.25
/Digital/D+: D24.2 P18.3 U12.4
/Digital/D-: D25.2 P18.2 U12.5
adc_CS~: U17.21_2 U28.12
adc_SCK: U17.29_2 U28.16
adc_SDI: U17.27_2 U28.15
adc_SDOA: R99.2 U17.23_2
adc_SDOB/~ALRT: R98.2 U17.25_2
ADC_VREF: C33.2 C34.2 R57.2 R90.1 R104.2 U28.11
Artix7_HB: R61.1 R62.1 U17.28_1
AUX_OPEN: R132.1 U22.7 U26.4
AUX_OPEN~: P12.5 R3.1 R5.1 R130.1
DIGPOT_SCL: P8.12 R125.1 U22.36
DIGPOT_SDA: P8.16 R128.1 U22.33
DTR: Q3.2 R69.1
DTR~: U12.28
ecm_n: C160.1 C170.2 R115.1 U28.5
ECM_OPEN: R131.1 U22.9 U27.4
ECM_OPEN~: P11.5 R1.2 R2.1 R129.1
ecm_p: C160.2 C169.1 R102.1 U28.6
EN: C84.2 SW1.2 U11.1
ESP32_HB: R65.1 R66.1 U22.24
ESP32_RXD0: U12.26 U22.34
ESP32_TXD0: U12.25 U22.35
FAN_EN: P5.14 R127.1 U22.37
FAN_PWM: P5.2 U17.30_2
FAN_TACHO: P5.6 U22.4
FPGA_IO0: D8.2 PTC6.2 R77.2
FPGA_IO1: D7.2 PTC2.2 R78.2
FPGA_IO2: D6.2 PTC5.2 R79.2
FPGA_PWM_BUFF_DIS: R85.1 R86.1 U17.28_2
I2S_BCLK: R119.2 U17.24_1
I2S_SDA: R76.1 R118.2
I2S_WS: R120.2 U17.22_1
IO0~: C108.1 Q3.3 R71.1 U22.25
LOAD_SWITCH_EN: P4.6 R124.1 U22.31
MCU_IO0: D18.2 PTC3.2 R113.2
MCU_IO1: D20.2 PTC7.2 R114.2
MCU_IO2: D22.2 PTC4.2 R110.2
MCU_PWM_BUFF_DIS: R82.1 R83.1 U22.8
NTC: C3.2 P5.10 R8.2
NTC_BUFF: C14.2 R10.2 R20.2 U22.5
OE~: R123.1 U13.1 U14.1 U15.1 U16.1 U18.1 U19.1 U20.1 U21.1 U25.4
RST: U17.30_1
RST~: C102.2 C120.2 Q4.3 R72.2 R81.2 SW2.1 U22.3
RTS: Q4.2 R68.1
RTS~: U12.24
SPI_CS~: R109.2 U17.27_1
SPI_MISO: R80.2 U22.14
SPI_MOSI: R107.2 U17.25_1
SPI_SCK: R108.2 U17.21_1
stereo_avg_n: C168.1 C172.2 R117.1 U28.7
stereo_avg_p: C168.2 C171.1 R116.1 U28.8
TX_ACTIVE: P4.2 U17.29_1
UART_RX: D19.2 PTC8.2 R111.2
UART_TX: D9.2 PTC9.2 R112.2
VCM: C19.1 C21.1 C47.1 C49.1 C52.1 C54.1 C147.1 C148.1 C150.1 C159.1 R15.2 R32.1 R121.2 R122.1 U4.3 U5.11 U5.17 U6.11 U6.17
VDRIVE_BUFF: C17.2 R11.2 R21.2 U22.6
Net-(C4-Pad2): C4.2 R6.2 R7.1 R9.1
Net-(C5-Pad1): C5.1 R20.1 U1.1
Net-(C5-Pad2): C5.2 R10.1 U1.4
Net-(C6-Pad1): C6.1 R13.1 R15.1 R16.2 R18.1 R19.2
Net-(C7-Pad1): C7.1 R21.1 U2.1
Net-(C7-Pad2): C7.2 R11.1 U2.4
Net-(C12-Pad1): C12.1 D16.1 D26.2 D28.2 PTC13.1 R12.2
Net-(C12-Pad2): C12.2 R24.2
Net-(C13-Pad1): C13.1 D11.1 D13.2 D15.2 PTC14.1 R14.2
Net-(C13-Pad2): C13.2 R25.2
Net-(C15-Pad1): C15.1 D17.2 D27.1 D29.2 PTC11.1 R16.1
Net-(C15-Pad2): C15.2 U3.8
Net-(C16-Pad1): C16.1 D10.1 D12.2 D14.2 PTC12.1 R17.2
Net-(C16-Pad2): C16.2 U3.5
Net-(C22-Pad1): C22.1 R24.1 R25.1 R26.2 U4.4
Net-(C22-Pad2): C22.2 R26.1 R29.1 U4.1
Net-(C24-Pad1): C24.1 U3.15
Net-(C24-Pad2): C24.2 C29.1 U3.16
Net-(C25-Pad1): C25.1 U3.14
Net-(C25-Pad2): C25.2 C28.1 U3.17
Net-(C27-Pad2): C27.2 U3.2
Net-(C28-Pad2): C28.2 R27.1 R30.1
Net-(C29-Pad2): C29.2 R28.2 R31.1
Net-(C30-Pad2): C30.2 R29.2 R37.1 R40.1
Net-(C31-Pad1): C31.1 R32.2 R38.1 R39.1
Net-(C32-Pad1): C32.1 R31.2 R34.1 R35.1
Net-(C32-Pad2): C32.2 R30.2 R33.1 R36.1
Net-(C36-Pad1): C36.1 R36.2 U5.23
Net-(C36-Pad2): C36.2 R33.2 U5.24
Net-(C37-Pad1): C37.1 R34.2 U5.1
